# KiCad board badgeCarrierCard.kicad_pcb (continued)
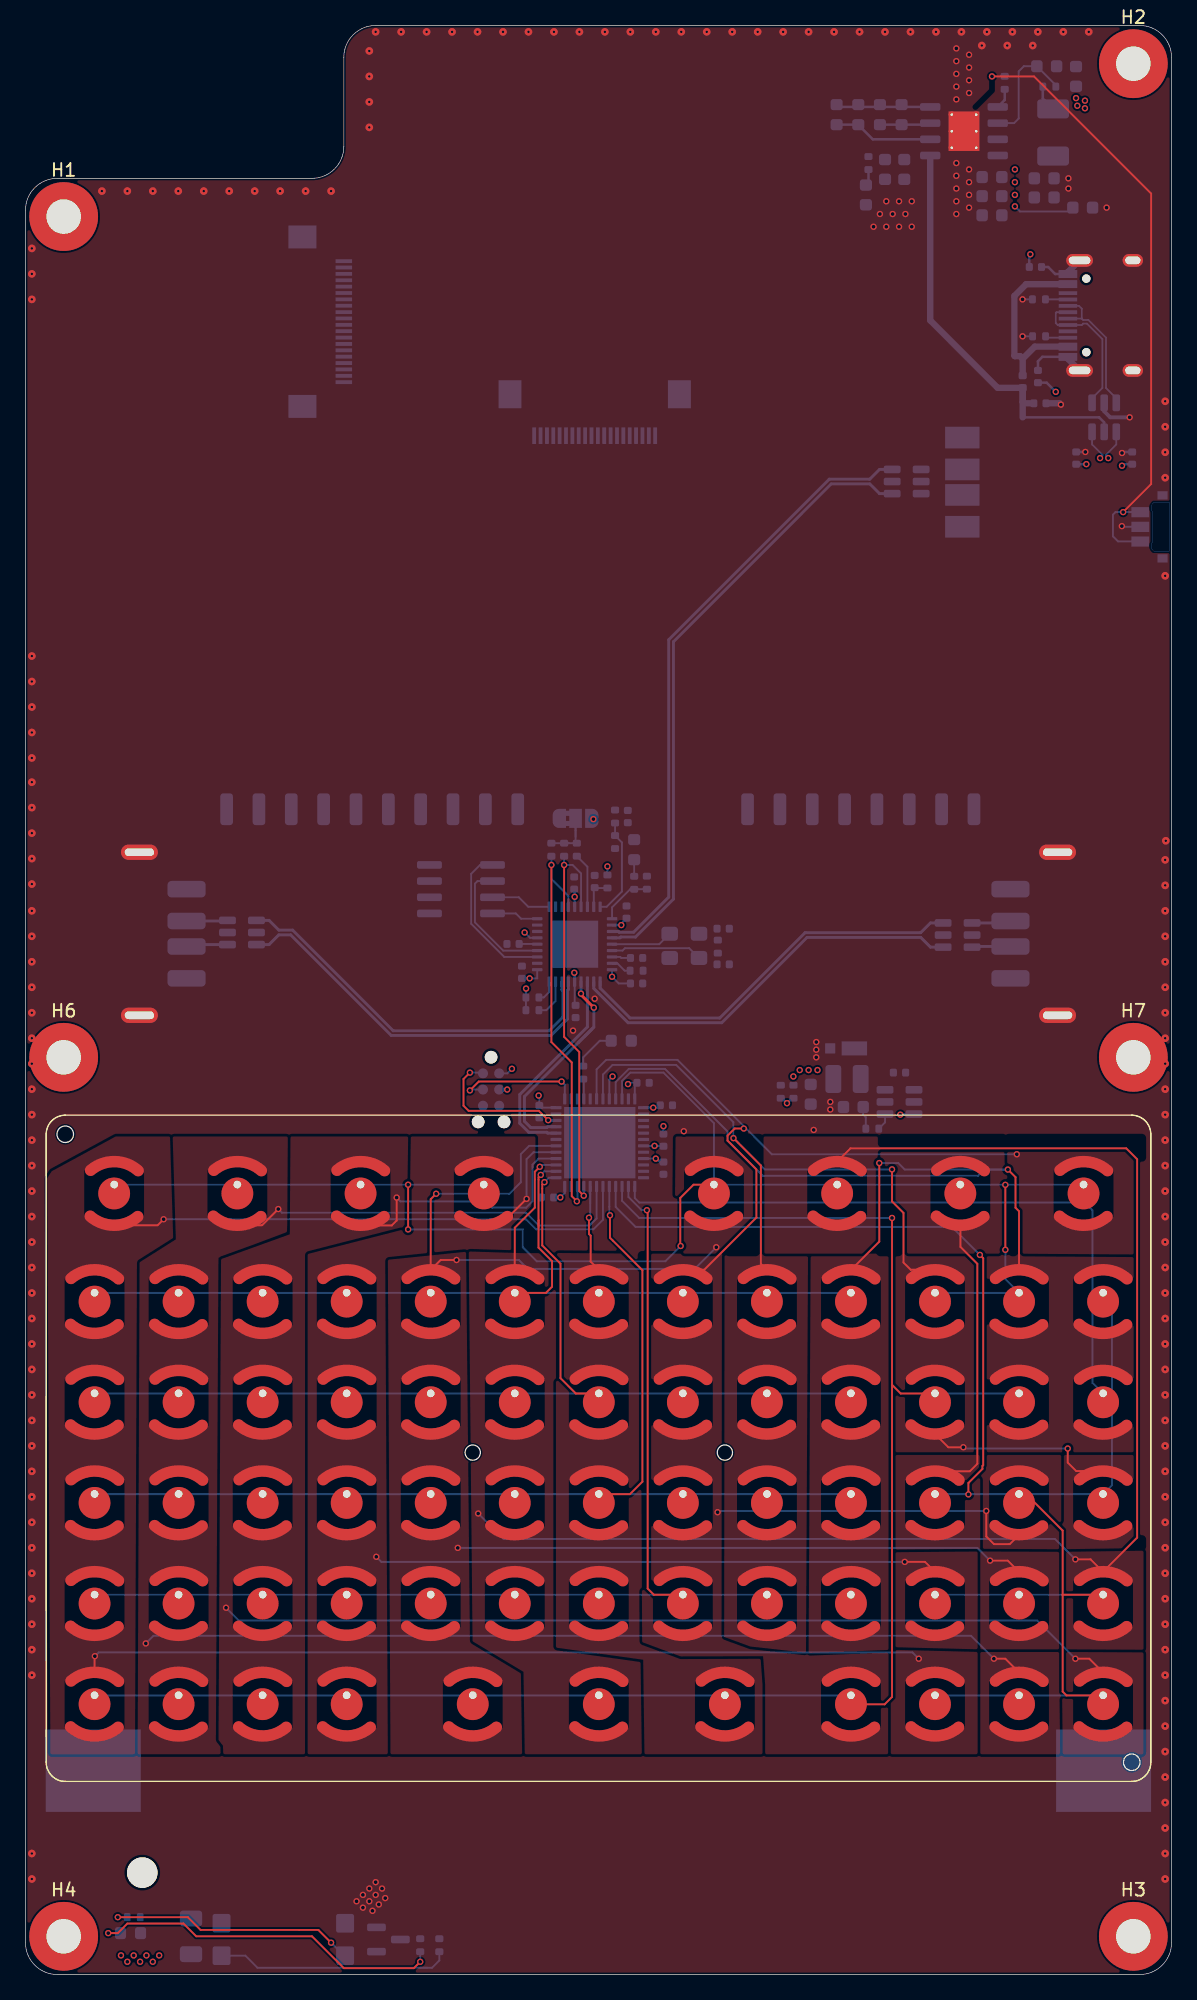
[diagram p0: board, top side]
## Footprints (pads in the part's own frame, mm; a bottom-side part is the same pattern mirrored in y, then rotated) (continued)
  rect 3.7x3.7 smd: 37(0,0)
QFN-48-1EP_7x7mm_P0.5mm_EP5.6x5.6mm
  rrect 1.13x1.13 smd: (-2.1,-2.1) (-2.1,-0.7) (-2.1,0.7) (-2.1,2.1) (-0.7,-2.1) (-0.7,-0.7) (-0.7,0.7) (-0.7,2.1) (0.7,-2.1) (0.7,-0.7) (0.7,0.7) (0.7,2.1) (2.1,-2.1) (2.1,-0.7) (2.1,0.7) (2.1,2.1)
  rrect 0.875x0.25 smd: 1(-3.438,2.75) 2(-3.438,2.25) 3(-3.438,1.75) 4(-3.438,1.25) 5(-3.438,0.75) 6(-3.438,0.25) 7(-3.438,-0.25) 8(-3.438,-0.75) 9(-3.438,-1.25) 10(-3.438,-1.75) 11(-3.438,-2.25) 12(-3.438,-2.75) 25(3.438,-2.75) 26(3.438,-2.25) 27(3.438,-1.75) 28(3.438,-1.25) 29(3.438,-0.75) 30(3.438,-0.25) 31(3.438,0.25) 32(3.438,0.75) 33(3.438,1.25) 34(3.438,1.75) 35(3.438,2.25) 36(3.438,2.75)
  rrect 0.25x0.875 smd: 13(-2.75,-3.438) 14(-2.25,-3.438) 15(-1.75,-3.438) 16(-1.25,-3.438) 17(-0.75,-3.438) 18(-0.25,-3.438) 19(0.25,-3.438) 20(0.75,-3.438) 21(1.25,-3.438) 22(1.75,-3.438) 23(2.25,-3.438) 24(2.75,-3.438) 37(2.75,3.438) 38(2.25,3.438) 39(1.75,3.438) 40(1.25,3.438) 41(0.75,3.438) 42(0.25,3.438) 43(-0.25,3.438) 44(-0.75,3.438) 45(-1.25,3.438) 46(-1.75,3.438) 47(-2.25,3.438) 48(-2.75,3.438)
  rect 5.6x5.6 smd: 49(0,0)
R_0402_1005Metric
  rrect 0.54x0.64 smd: 1(-0.51,0) 2(0.51,0)
SOIC254P1030X390-4N
  rrect 1.41x1.47 smd: 1(-4.85,1.27) 2(-4.85,-1.27) 3(4.85,-1.27) 4(4.85,1.27)
SOIC-8_3.9x4.9mm_P1.27mm
  rrect 1.95x0.6 smd: 1(-2.475,1.905) 2(-2.475,0.635) 3(-2.475,-0.635) 4(-2.475,-1.905) 5(2.475,-1.905) 6(2.475,-0.635) 7(2.475,0.635) 8(2.475,1.905)
SolderJumper-3_P1.3mm_Bridged2Bar12_RoundedPad1.0x1.5mm
  custom 1.05x1.5 smd: 1(-1.3,0) 3(1.3,0)
  rect 1x1.5 smd: 2(0,0)
SOT-23
  rrect 1.475x0.6 smd: 1(-0.938,0.95) 2(-0.938,-0.95) 3(0.938,0)
SOT-23-6
  rrect 1.325x0.6 smd: 1(-1.137,0.95) 2(-1.137,0) 3(-1.137,-0.95) 4(1.137,-0.95) 5(1.137,0) 6(1.137,0.95)
SW_PTS847MM160SMTR2_LFS
  rect 0.8x1.4 smd: 1(-1.14,0.465) 2(0.01,0.465) 3(1.16,0.465)
  rect 0.65x0.8 smd: S1(-2.465,-1.287) S2(2.485,-1.287)
Tag-Connect_TC2030-IDC-NL_2x03_P1.27mm_Vertical
  round 0.991 hole 0.991 unplated: (-2.54,0) (2.54,-1.016) (2.54,1.016)
  round 0.787 smd: 1(-1.27,-0.635) 2(-1.27,0.635) 3(0,-0.635) 4(0,0.635) 5(1.27,-0.635) 6(1.27,0.635)
USB_A_Receptacle_GCT_USB1046
  oval 1.2x2.9 smd: (-6.4,3.55) (6.4,3.55)
  rrect 1.3x3 smd: 1(-3.5,7.25) 2(-1,7.25) 3(1,7.25) 4(3.5,7.25)
  oval 1.2x2.9 hole 0.6x2.3: 5(-6.4,3.55) 5(6.4,3.55)
USB_C_Receptacle_HRO_TYPE-C-31-M-12
  round 0.65 hole 0.65 unplated: (-2.89,2.6) (2.89,2.6)
  rect 0.6x1.45 smd: A1(-3.25,4.045) A4(-2.45,4.045) A9(2.45,4.045) A12(3.25,4.045) B1(3.25,4.045) B4(2.45,4.045) B9(-2.45,4.045) B12(-3.25,4.045)
  rect 0.3x1.45 smd: A5(-1.25,4.045) A6(-0.25,4.045) A7(0.25,4.045) A8(1.25,4.045) B5(1.75,4.045) B6(0.75,4.045) B7(-0.75,4.045) B8(-1.75,4.045)
  oval 1x1.6 hole 0.6x1.2: S1(-4.32,-1.05) S1(4.32,-1.05)
  oval 1x2.1 hole 0.6x1.7: S1(-4.32,3.13) S1(4.32,3.13)

## Nets
+3V3: C5.2 C6.1 C7.1 C8.1 C9.1 C10.1 C11.1 C12.1 C13.1 C14.1 C15.1 C16.1 C47.1 C48.1 C49.1 C50.1 J3.1 JP5.3 L2.2 R1.2 R9.1 R20.2 R21.2 U1.1 U1.9 U1.24 U1.36 U1.48 U3.5 U3.10 U3.15 U3.23 U3.29 U3.36
+5V: C4.2 C18.1 C19.1 C20.1 C24.1 C25.1 C26.1 C30.2 J1.1 R6.1 R16.1 U2.8 U4.7 U7.5 U8.5
GND: C2.2 C3.2 C4.1 C5.1 C7.2 C8.2 C9.2 C10.2 C11.2 C12.2 C13.2 C14.2 C15.2 C16.2 C17.2 C18.2 C19.2 C20.2 C21.2 C22.2 C23.2 C24.2 C25.2 C26.2 C27.2 C28.1 C29.1 C30.1 C31.1 C45.2 C47.2 C48.2 C49.2 C50.2 D1.2 D6.1 D8.1 J1.8 J2.1 J2.8 J3.5 J4.4 J4.5 J5.4 J5.5 J8.A1 J8.A12 J8.B1 J8.B12 J8.S1 J10.1 J11.MP J12.MP JP5.1 PWR_BUTTON1.2 Q1.2 R7.2 R8.2 R11.2 R12.2 R13.2 R18.1 U1.8 U1.23 U1.35 U1.47 U1.49 U2.9 U3.11 U3.37 U4.6 U5.2 U6.2 U7.2 U8.2 U10.3 U12.2 Y1.2 Y1.4
VBUS: C2.1 C3.1 C45.1 FB2.2 R14.1 U2.1 U12.5
+BATT: C21.1 F1.1 L1.2 R17.1
/BOOT0: U1.44
/Keyboard/COL_0: U1.18 U14.1 U14.17 U14.43 U14.69 U14.95 U14.121 U14.137
/Keyboard/COL_1: U1.19 U14.3 U14.19 U14.45 U14.71 U14.97 U14.123 U14.139
/Keyboard/COL_2: U1.28 U14.5 U14.21 U14.47 U14.73 U14.99 U14.125 U14.141
/Keyboard/COL_3: U1.29 U14.7 U14.23 U14.49 U14.75 U14.101 U14.115 U14.127
/Keyboard/COL_4: U1.30 U14.9 U14.25 U14.51 U14.77 U14.103 U14.117 U14.129
/Keyboard/COL_5: U1.27 U14.11 U14.27 U14.53 U14.79 U14.105 U14.119 U14.131
/Keyboard/COL_6: U1.20 U14.13 U14.29 U14.55 U14.81 U14.89 U14.107 U14.133
/Keyboard/COL_7: U1.42 U14.15 U14.31 U14.57 U14.83 U14.91 U14.109 U14.135
/Keyboard/COL_8: U1.43 U14.33 U14.37 U14.59 U14.63 U14.85 U14.93 U14.111
/Keyboard/COL_9: U1.45 U14.35 U14.39 U14.41 U14.61 U14.65 U14.67 U14.87 U14.113
/Keyboard/ROW_0: U1.46 U14.2 U14.4 U14.6 U14.8 U14.10 U14.12 U14.14 U14.16 U14.38 U14.40
/Keyboard/ROW_1: U1.26 U14.18 U14.20 U14.22 U14.24 U14.26 U14.28 U14.30 U14.32 U14.34 U14.36
/Keyboard/ROW_2: U1.25 U14.44 U14.46 U14.48 U14.50 U14.52 U14.54 U14.56 U14.58 U14.60 U14.62
/Keyboard/ROW_3: U1.17 U14.70 U14.72 U14.74 U14.76 U14.78 U14.80 U14.82 U14.84 U14.86 U14.88
/Keyboard/ROW_4: U1.14 U14.96 U14.98 U14.100 U14.102 U14.104 U14.106 U14.108 U14.110 U14.112 U14.114
/Keyboard/ROW_5: U1.15 U14.64 U14.66 U14.122 U14.124 U14.126 U14.128 U14.130 U14.132 U14.134 U14.136
/Keyboard/ROW_6: U1.16 U14.42 U14.90 U14.92 U14.94 U14.116 U14.118 U14.120 U14.138 U14.140 U14.142
/Keyboard/ROW_7: U1.13 U14.68
/nRST: C6.2 J3.3 U1.7
/Power & USB/D+: J8.A6 J8.B6 U12.1
/Power & USB/D-: J8.A7 J8.B7 U12.3
/Power & USB/UF: FB2.1 J8.A4 J8.A9 J8.B4 J8.B9
/Power & USB/USB.D+: U12.6
/Power & USB/USB.D-: U12.4
/SWCLK: J3.4 U1.37
/SWDIO: J3.2 U1.34
/USB/HS_IND: R10.2 U3.25
/USB/I2C.SCL: R3.2 U1.21 U3.24
/USB/I2C.SDA: R4.2 U1.22 U3.22
/USB/SUSP_IND: R13.1 R19.2 U3.28
/USB/USB1.D+: U3.2 U6.1
/USB/USB1.D-: U3.1 U6.3
/USB/USB2.D+: U3.7 U5.1
/USB/USB2.D-: U3.6 U5.3
/USB/USB3.D+: U1.33 U3.4
/USB/USB3.D-: U1.32 U3.3
/USB/USBUP.D+: U3.31 U8.4
/USB/USBUP.D-: U3.30 U8.6
/USB/~{RESET}: C31.2 R9.2 U3.26
Net-(BT1-+): BT1.1 D7.1 F1.2 R43.2 U10.2
Net-(BT1--): BT1.2 Q1.3 R38.2 R50.2
Net-(C17-Pad1): C17.1 R14.2
Net-(D1-K): C1.2 D1.1 L2.1 U7.6
Net-(D2-A): D2.2 D3.1 U2.2
Net-(D2-K): D2.1 D3.2 D4.1 D5.2 U2.4
Net-(D4-A): D4.2 D5.1 U2.3
Net-(D6-A): D6.2 R2.2
Net-(D7-A): D7.2 R50.1
Net-(D8-A): D8.2 R19.1
Net-(J2-Pin_5): J2.5
Net-(J2-Pin_6): J2.6
Net-(J4-D+): J4.3 U6.6
Net-(J4-D-): J4.2 U6.4
Net-(J4-VBUS): J4.1 U4.8 U6.5
Net-(J5-D+): J5.3 U5.6
Net-(J5-D-): J5.2 U5.4
Net-(J5-VBUS): J5.1 U4.5 U5.5
Net-(J7-Pin_1): J7.1 U8.1
Net-(J8-CC1): J8.A5 R12.1
Net-(J8-CC2): J8.B5 R11.1
Net-(J9-Pin_1): J9.1 U8.3
Net-(J11-Pin_1): J11.1 J12.1
Net-(J11-Pin_2): J11.2 J12.2
Net-(J11-Pin_3): J11.3 J12.3
Net-(J11-Pin_4): J11.4 J12.4
Net-(J11-Pin_5): J11.5 J12.5
Net-(J11-Pin_6): J11.6 J12.6
Net-(J11-Pin_7): J11.7 J12.7
Net-(J11-Pin_8): J11.8 J12.8
Net-(J11-Pin_9): J11.9 J12.9
Net-(J11-Pin_10): J11.10 J12.10
Net-(J11-Pin_11): J11.11 J12.11
Net-(J11-Pin_12): J11.12 J12.12
Net-(J11-Pin_13): J11.13 J12.13
Net-(J11-Pin_14): J11.14 J12.14
Net-(J11-Pin_15): J11.15 J12.15
Net-(J11-Pin_16): J11.16 J12.16
Net-(J11-Pin_17): J11.17 J12.17
Net-(J11-Pin_18): J11.18 J12.18
Net-(J11-Pin_19): J11.19 J12.19
Net-(J11-Pin_20): J11.20 J12.20
Net-(JP4-A): U3.17
Net-(JP5-C): JP5.2 R3.1 R4.1 R10.1
Net-(JP6-A): U3.21
Net-(PWR_BUTTON1-Pad1): PWR_BUTTON1.1 PWR_BUTTON1.3 R15.2
Net-(Q1-G): Q1.1 R43.1 U10.4
Net-(R38-Pad1): R38.1 U10.1
Net-(U1-PB4): R2.1 U1.40
Net-(U2-BAT): C22.1 R17.2 U2.6
Net-(U2-KEY): R15.1 U2.5
Net-(U2-SW): L1.1 U2.7
Net-(U3-CRFILT): C27.1 U3.14
Net-(U3-OCS_N1): U3.13 U4.2
Net-(U3-OCS_N3): U3.19 U4.3
Net-(U3-PLLFILT): C23.1 U3.34
Net-(U3-PRTPWR1/BC_EN1): U3.12 U4.1
Net-(U3-PRTPWR3/BC_EN3): U3.18 U4.4
Net-(U3-RBIAS): R8.1 U3.35
Net-(U3-USBDM_DN4/PRT_DIS_M4): R20.1 U3.8
Net-(U3-USBDP_DN4/PRT_DIS_P4): R21.1 U3.9
Net-(U3-VBUS_DET): R6.2 R7.1 U3.27
Net-(U3-XTALIN/CLKIN): C28.2 R5.1 U3.33 Y1.3
Net-(U3-XTALOUT): C29.2 R5.2 U3.32 Y1.1
Net-(U7-BST): C1.1 U7.1
Net-(U7-EN): R16.2 U7.4
Net-(U7-FB): R1.1 R18.2 U7.3

Pads without a net: H1 1; H2 1; H3 1; H4 1; H6 1; H7 1; J1 2 3 4 5 6 7; J2 2 3 4 7 9 10; J3 6; J6 1; J8 A8 B8; PWR_BUTTON1 S1 S2; U1 2 3 4 5 6 10 11 12 31 38 39 41; U3 16 20

## Via types
v1: diameter 0.5, hole 0.3, Top to Bottom, 163 vias
v2: diameter 0.6, hole 0.2, Top to Bottom, 139 vias

## Routing (per net, layer and track width the routed paths; a pad name or vN(x,y) marks a point on that pad's centre or on a via; arc(x,y) is an arc through that point)
+3V3: length 28
  Bottom w0.15: C15.1 v1(39.59,78.2) 40.19,78.2 U3.10 ; v1(43.1,78.64) 43.13,78.61 U3.5 43.13,76.15 43.2,76.08 C16.1 ; C11.1 49.66,68.05 v1(49.3,68.05) U1.1 ; R9.1 v1(45.7,86.99) ; C14.1 46.79,82.51 v1(46.79,82.38) U3.29 ; R20.2 R21.2 39.3,77.39 v1(39.31,77.4) ; 49.85,63.76 49.56,64.05 v1(49.5,64.05) U1.9 ; v1(40.3,69) 40.35,68.95 C7.1 40.52,68.05 U1.36 ; C13.1 46.59,77.8 v1(46.06,78.33) U3.36 ; U1.48 47.85,69.83 C8.1 47.41,70 v1(47.31,69.9) ; JP5.3 44.54,90.76 v1(44.6,90.7) ; C12.1 43.13,85.16 U3.23 ; U3.15 39.62,81.38 v1(39.2,81.8) ; C10.1 v1(42,61) 42.35,61.35 U1.24 ; C6.1 v1(50.1,66.6) ; J3.1 37.84,70.74 v1(38.2,71.1)
  Bottom w0.2: C47.1 78.83,134.96 v1(78.91,135.04) ; C48.1 80.19,124.96 v1(80.91,124.24) ; v1(86.11,118.44) 86.23,118.56 C50.1 ; C49.1 83.31,118.56 v1(83.31,118.56)
  vias: v1(43.13,84.6) v1(60.3,70.5) v1(60.8,71) v1(61.5,71) v1(62.2,71)
+5V: length 6.6
  Bottom w0.15: C4.2 65.79,67.5 65.99,67.3 R16.1 ; v1(77.7,138.8) 78.1,138.4 82.08,138.4 82.3,138.62
  vias: v1(77.7,141.7) v1(77.7,140.7) v1(77.7,139.7)
GND: length 17
  Bottom w0.15: R11.2 v1(78.3,128.6) ; R12.2 v1(78.3,131.5) ; 87.46,113.65 86.15,113.65 v1(86.1,113.7)
  Bottom w0.2: C48.2 79.51,126.64 79.86,126.99 J8.A12 ; v1(83.23,119.52) C49.2 ; J8.A1 80.86,133.49 80.31,134.04 C47.2 ; v1(86.11,119.44) 86.19,119.52 C50.2
  Bottom w0.3: U12.2 84.71,122.72 85.19,122.24 v1(86.71,122.24)
  Bottom w0.5: v1(81.31,123.24) 81.21,123.34 C45.2 ; J8.S1 81.86,126.84 J8.A12 ; J8.A1 81.86,133.65 J8.S1
  vias: v1(26,5.75) v1(26.5,6.25) v1(26.5,5.25) v1(27,6.75) v1(27,5.75) v1(27.25,5) v1(27.5,7.25) v1(27.5,6.25) v1(27.75,5.5) v1(28,6.75) v1(28.25,6) v1(43,74.1) v1(44.7,76.6) v1(51.7,66.2) v1(61.9,66.3) v1(62.1,73.2) v1(62.1,72.6) v1(62.1,72) v1(63.2,68.5) v1(63.2,67.9) v1(66.6,137.2) v1(67.1,138.2) v1(67.6,139.2) v1(67.6,137.2) v1(68.1,138.2) v1(68.6,139.2) v1(68.6,137.2) v1(69.1,138.2) v1(69.6,139.2) v1(69.6,137.2) v1(73.1,151.2) v1(73.1,150.2) v1(73.1,149.2) v1(73.1,148.2) v1(73.1,147.2) v1(73.1,142.2) v1(73.1,141.2) v1(73.1,140.2) v1(73.1,139.2) v1(73.1,138.2) v1(74.1,150.7) v1(74.1,149.7) v1(74.1,148.7) v1(74.1,147.7) v1(74.1,141.7) v1(74.1,140.7) v1(74.1,139.7) v1(74.1,138.7) v1(81.9,141) v1(81.9,140.2) v1(84.9,138.7) v2(0.5,135.5) v2(0.5,133.5) v2(0.5,131.5) v2(0.5,103.5) v2(0.5,101.5) v2(0.5,99.5) v2(0.5,97.5) v2(0.5,95.5) v2(0.5,93.6) v2(0.5,91.6) v2(0.5,89.6) v2(0.5,87.6) v2(0.5,85.6) v2(0.5,83.5) v2(0.5,81.5) v2(0.5,79.5) v2(0.5,77.5) v2(0.5,75.5) v2(0.5,73.5) v2(0.5,71.5) v2(0.5,69.5) v2(0.5,67.5) v2(0.5,65.5) v2(0.5,63.5) v2(0.5,61.5) v2(0.5,59.5) v2(0.5,57.5) v2(0.5,55.5) v2(0.5,53.5) v2(0.5,51.5) v2(0.5,49.5) v2(0.5,47.5) v2(0.5,45.5) v2(0.5,43.5) v2(0.5,41.5) v2(0.5,39.5) v2(0.5,37.5) v2(0.5,35.5) v2(0.5,33.5) v2(0.5,31.5) v2(0.5,29.5) v2(0.5,27.5) v2(0.5,25.5) v2(0.5,23.5) v2(0.5,9.5) v2(0.5,7.5) v2(6,140) v2(8,140) v2(10,140) v2(12,140) v2(14,140) v2(16,140) v2(18,140) v2(20,140) v2(22,140) v2(24,140) v2(27,151) v2(27,149) v2(27,147) v2(27,145) v2(27.5,152.5) v2(29.5,152.5) v2(31.5,152.5) v2(33.5,152.5) v2(35.5,152.5) v2(37.5,152.5) v2(39.5,152.5) v2(41.5,152.5) v2(43.5,152.5) v2(45.5,152.5) v2(47.5,152.5) v2(49.5,152.5) v2(51.5,152.5) v2(53.5,152.5) v2(55.5,152.5) v2(57.5,152.5) v2(59.5,152.5) v2(61.5,152.5) v2(63.5,152.5) v2(65.5,152.5) v2(67.5,152.5) v2(69.5,152.5) v2(71.5,152.5) v2(73.5,152.5) v2(75.1,151.43) v2(75.5,152.5) v2(77.1,151.43) v2(77.5,152.5) v2(79.1,151.43) v2(79.5,152.5) v2(81.5,152.5) v2(83.5,152.5) v2(89.5,123.5) v2(89.5,121.5) v2(89.5,119.5) v2(89.5,117.5) v2(89.5,109.8) v2(89.55,89) v2(89.5,87.5) v2(89.5,85.5) v2(89.5,83.5) v2(89.5,81.5) v2(89.5,79.5) v2(89.5,77.5) v2(89.5,75.5) v2(89.5,73.5) v2(89.5,71.5) v2(89.5,69.5) v2(89.5,67.5) v2(89.5,65.5) v2(89.5,63.5) v2(89.5,61.5) v2(89.5,59.5) v2(89.5,57.5) v2(89.5,55.5) v2(89.5,53.5) v2(89.5,51.5) v2(89.5,49.5) v2(89.5,47.5) v2(89.5,45.5) v2(89.5,43.5) v2(89.5,41.5) v2(89.5,39.5) v2(89.5,37.5) v2(89.5,35.5) v2(89.5,33.5) v2(89.5,31.5) v2(89.5,29.5) v2(89.5,27.5) v2(89.5,25.5) v2(89.5,23.5) v2(89.5,21.5) v2(89.5,19.5) v2(89.5,17.5) v2(89.5,15.5) v2(89.5,13.5) v2(89.5,11.5) v2(89.5,9.5) v2(89.5,7.5)
VBUS: length 34.1
  Bottom w0.2: U12.5 84.71,121.84 84.31,122.24 78.31,122.24
  Bottom w0.5: FB2.2 78.31,123.44 78.41,123.34 C45.1 ; FB2.2 78.31,122.24 ; FB2.2 76.34,124.56 71.05,129.85 U2.1 71,142.75
+BATT: length 229
  In2.Cu w1.25: v1(82.5,147.3) 88.53,141.27 88.53,125.4 88.43,125.3 88.43,119.12 83.3,113.99 83.3,69.45 88.3,64.45 88.3,12.55 85.25,9.5 27.25,9.5 19,1.25 7.5,1.25
  Bottom w0.2: L1.2 79.89,147.26 R17.1
  vias: v1(7.5,1.5) v1(8,1) v1(8.5,1.5) v1(9,1) v1(9.5,1.5) v1(10,1) v1(10.5,1.5) v1(82.6,146.7) v1(83.2,147.1) v1(83.2,146.5)
/BOOT0: length 1.9
  Bottom w0.15: v1(46.1,70.5) 45.85,70.25 U1.44
/Keyboard/COL_0: length 108.1
  Top w0.15: v1(5.45,24.99) 5.42,24.96 5.42,23.71 ; v1(10.85,59.29) 10.38,58.82 6.97,58.82
  Bottom w0.15: U1.18 45.35,59.25 44.6,58.5 40.09,58.5 39.3,59.29 v1(10.85,59.29) ; v1(70.15,24.79) 69.65,25.29 5.75,25.29 v1(5.45,24.99)
/Keyboard/COL_1: length 102
  Top w0.15: 16.64,58.82 18.58,58.82 v1(19.85,60.09) ; 78.02,23.71 76.94,24.79 v1(76.05,24.79)
  Bottom w0.15: v1(76.05,24.79) 74.25,26.59 10.05,26.59 v1(9.45,25.99) ; U1.19 44.85,59.35 44.29,58.79 40.31,58.79 39.3,59.8 20.14,59.8 v1(19.85,60.09)
/Keyboard/COL_2: length 91.9
  Top w0.15: 84.62,23.71 83.54,24.79 v1(82.45,24.79) ; v1(29.15,60.99) 29.15,59.19 28.76,58.8 26.31,58.8
  Bottom w0.15: v1(15.75,28.79) 16.75,27.79 79.45,27.79 v1(82.45,24.79) ; U1.28 40.29,64.05 39.82,63.58 39.82,60.7 39.32,60.2 36.64,60.2 36.15,60.69 29.45,60.69 v1(29.15,60.99)
/Keyboard/COL_3: length 54.2
  Top w0.15: v1(69.05,32.39) 70.64,32.39 71.42,31.61 ; 36,58.82 37.28,58.82 v1(39.35,60.89)
  Bottom w0.15: v1(39.35,60.89) 39.35,64 39.9,64.55 U1.29 ; v1(69.05,32.39) 27.95,32.39 v1(27.55,32.79)
/Keyboard/COL_4: length 87
  Top w0.15: v1(75.75,32.49) 77.14,32.49 78.02,31.61 ; v1(33.85,56.09) 32.6,56.09 31.82,55.31 31.82,60.86 v1(32.25,61.29)
  Bottom w0.15: v1(33.95,33.49) 74.75,33.49 v1(75.75,32.49) ; v1(54.25,57.09) 52.55,55.39 39.45,55.39 38.75,56.09 v1(33.85,56.09) ; 41.65,65.07 U1.30 39.55,65.05 38.9,64.4 38.9,62.19 38,61.29 v1(32.25,61.29)
/Keyboard/COL_5: length 119.4
  Top w0.15: v1(40.39,63.41) 40,63.02 40,60.2 38.42,58.62 U14.27 ; U14.11 64.78,64.86 86.44,64.86 87.3,64 87.3,34.3 U14.119 ; 84.62,31.61 83.64,32.59 v1(82.45,32.59) ; 38.78,55.32 38.43,55.32
  Bottom w0.15: U1.27 40.53,63.55 v1(40.39,63.41) ; v1(35.55,36.19) 37.55,34.19 80.85,34.19 v1(82.45,32.59)
/Keyboard/COL_6: length 30.5
  Top w0.15: 71.42,39.51 74.17,39.51 74.75,40.09 74.75,55.79 73.42,57.12 73.42,58.82 ; v1(44.25,59.41) 44.25,58.13 44.39,58 44.39,55.96 U14.29
  Bottom w0.15: 44.35,61.3 44.35,60.51 ; 44.35,61.3 44.35,59.51 v1(44.25,59.41) ; 44.35,61.3 U1.20
/Keyboard/COL_7: length 81.3
  Top w0.15: U14.31 53.3,55.32 57.4,59.42 57.4,63.2 55.13,65.46 55.13,65.85 55.7,66.41 v1(56.41,66.41) ; 78.02,34.51 77.3,33.79 76.05,33.79 75.45,34.39 v1(75.45,36.39)
  Bottom w0.15: U1.42 44.85,71.05 45.6,71.8 51.2,71.8 58.61,64.39 v1(77.85,64.39) ; v1(75.45,36.39) 54.45,36.39 v1(54.35,36.29)
/Keyboard/COL_8: length 66.5
  Top w0.15: 71.43,55.32 69.52,55.32 68.95,55.89 68.95,59.79 68.05,60.69 v1(68.05,63.2) ; 58.22,55.31 57.75,55.78 57.75,63.5 v1(55.6,65.66) ; 71.43,42.43 72.47,41.39 v1(73.65,41.39) ; v1(81.85,41.29) 81.85,40.19 82.52,39.52 84.63,39.52
  Bottom w0.15: 55.98,65.28 58.06,63.2 v1(68.05,63.2) ; 55.98,65.28 v1(55.6,65.66) ; 55.98,65.28 55.59,65.67 55.59,66.91 51.1,71.4 46.1,71.4 45.35,70.65 U1.43 ; v1(73.65,41.39) 73.75,41.29 v1(81.85,41.29)
/Keyboard/COL_9: length 65
  Top w0.15: 64.82,55.31 67.05,57.54 v1(67.05,63.7) ; 78.02,55.31 78.02,59.92 77.75,60.19 77.75,62.59 v1(77.15,63.19)
  Bottom w0.15: 55.41,65.19 55.75,64.85 ; 55.75,64.85 55.75,64.85 55.13,65.46 55.13,66.18 50.22,71.09 47.38,71.09 46.35,70.06 U1.45 ; 55.75,64.85 57.9,62.7 74.8,62.7 75.29,63.19 v1(77.15,63.19) 69.05,63.19 68.54,63.7 v1(67.05,63.7)
/Keyboard/ROW_0: length 123.4
  Top w0.15: v1(30.05,58.49) v1(30.05,62) ; v1(76.95,56.89) v1(76.95,61.99) ; v1(51.45,57.19) 51.42,57.22 51.42,60.96 52.46,62 54.06,62
  Bottom w0.15: v1(76.95,56.89) 76.95,54.58 78.02,53.51 ; U14.10 54.06,66.83 50.1,70.8 47.5,70.8 46.85,70.15 U1.46 ; v1(30.05,58.49) 39.05,58.49 39.05,57.09 40.15,55.99 50.25,55.99 v1(51.45,57.19) ; 6.96,62 v1(30.05,62) 35.99,62 ; 83.09,62 54.06,62 ; 71.42,53.51 78.33,53.51
/Keyboard/ROW_1: length 73.6
  Top w0.15: 40.29,59.2 40.29,58.69 ; 40.29,59.2 40.29,57.06 41.35,56 41.35,53.99 40.87,53.51 38.42,53.51 ; 40.29,59.2 40.29,62.6 v1(40.47,62.77)
  Bottom w0.15: v1(40.47,62.77) 40.74,63.05 U1.26 ; 64.82,53.51 5.42,53.51
/Keyboard/ROW_2: length 80
  Top w0.15: 45.02,45.61 43.22,45.61 42.01,46.82 42.01,55.8 40.58,57.23 40.58,62.03 v1(40.76,62.2)
  Bottom w0.15: 5.42,45.61 64.82,45.61 ; v1(40.76,62.2) 41.11,62.55 U1.25
/Keyboard/ROW_3: length 87.5
  Top w0.15: v1(45.9,59.6) 45.9,57.84 48.45,55.29 48.45,38.69 47.47,37.71 45.02,37.71
  Bottom w0.15: U1.17 45.85,59.65 v1(45.9,59.6) ; 64.82,37.71 5.42,37.71
/Keyboard/ROW_4: length 94.8
  Top w0.15: 51.62,29.81 49.35,29.81 48.86,30.3 48.86,59.94 v1(48.8,60)
  Bottom w0.15: U1.14 47.35,61.04 48.39,60 v1(48.8,60) ; 5.42,29.81 64.82,29.81
/Keyboard/ROW_5: length 133.6
  Top w0.15: 68.05,46.29 68.73,45.61 71.42,45.61 ; 68.05,46.29 68.05,21.79 67.47,21.21 64.82,21.21 ; 68.05,46.29 v1(68.05,59.39)
  Bottom w0.15: U1.15 46.85,60.74 48.2,59.39 v1(68.05,59.39) ; 64.82,21.91 5.42,21.91 ; 78.02,45.61 71.42,45.61
/Keyboard/ROW_6: length 130.9
  Top w0.15: 81.45,29.81 81.45,34.85 78.59,37.71 78.02,37.71 ; 81.45,29.81 81.45,22.21 81.75,21.91 84.62,21.91 ; 81.45,29.81 84.62,29.81 ; v1(74.95,56.49) 75.21,56.23 75.21,39.99 75.15,39.92 75.15,39.69 74.05,38.59 v1(74.05,37.69)
  Bottom w0.15: 71.42,29.81 84.62,29.81 ; 71.42,37.71 84.62,37.71 85.32,38.41 85.32,52.81 84.62,53.51 ; U1.16 46.35,60.25 47.91,58.69 72.75,58.69 v1(74.95,56.49) ; 71.42,21.91 84.62,21.91
/Keyboard/ROW_7: length 52.8
  Bottom w0.15: 83,60.6 83.19,60.6 83.79,60 83.79,46.44 84.62,45.61 ; 83,60.6 48.2,60.6 47.85,60.95 U1.13 ; 83,60.6 83.2,60.6 83.61,60.19
/nRST: length 16.1
  In1.Cu w0.15: 40.2,69.47 39.67,69.47 ; 40.2,69.47 42.03,69.47 46.45,65.05 v1(49.4,65.05) ; 40.2,69.47 37.83,69.47 v1(37.83,69.47)
  Bottom w0.15: J3.3 v1(37.83,69.47) ; C6.2 50.07,65.05 v1(49.4,65.05) U1.7
/Power & USB/D+: length 11.4
  Bottom w0.14: J8.A6 80.96,130.49 80.91,130.44 80.91,129.64 81.06,129.49 J8.B6 82.95,129.49 83.06,129.6 83.35,129.6 84.57,128.38 84.57,124.55 83.76,123.74 U12.1
/Power & USB/D-: length 11
  Bottom w0.14: 82.95,129.99 J8.A7 ; 82.95,129.99 82.95,130.77 82.73,130.99 J8.B7 ; 82.95,129.99 83.06,129.88 83.47,129.88 84.85,128.5 84.85,124.55 85.66,123.74 U12.3
/Power & USB/UF: length 15.3
  Bottom w0.5: 78.31,126.84 79.26,127.79 J8.A9 ; 78.31,126.84 78.11,127.04 77.7,127.04 77.66,127.08 77.66,131.77 78.58,132.69 J8.A4 ; 78.31,126.84 FB2.1
/Power & USB/USB.D+: length 2.5
  Bottom w0.14: v1(84.39,119.04) 84.57,119.22 84.57,119.3 83.76,120.11 U12.6
/Power & USB/USB.D-: length 2.5
  Bottom w0.14: U12.4 85.66,120.11 84.85,119.3 84.85,119.22 v1(85.03,119.04)
/SWCLK: length 10
  Top w0.15: v1(42.1,70.1) 35.6,70.1 v1(34.9,69.4)
  Bottom w0.15: v1(34.9,69.4) 34.97,69.47 J3.4 ; v1(42.1,70.1) 42.35,69.85 U1.37
/SWDIO: length 11.6
  Top w0.15: v1(41.05,67.06) 40.31,67.8 34.8,67.8 34.4,68.2 34.4,70.3 v1(34.9,70.8)
  Bottom w0.15: v1(41.05,67.06) 41.06,67.05 U1.34 ; v1(34.9,70.8) 35.87,70.8 J3.2
/USB/HS_IND: length 4.3
  Bottom w0.15: U3.25 44.13,86.96 R10.2
/USB/I2C.SCL: length 32.2
  Top w0.15: v1(43.84,61.14) 43.49,61.49 43.49,72.42 42.3,73.61 v1(42.3,87.1)
  Bottom w0.15: U3.24 43.63,86.44 42.97,87.1 v1(42.3,87.1) R3.2 ; v1(43.84,61.14) 43.85,61.15 U1.21
/USB/I2C.SDA: length 32.9
  Top w0.15: v1(43.3,60.7) 42.9,61.1 42.9,71.6 41.3,73.2 v1(41.3,87.1)
  Bottom w0.15: v1(43.3,60.7) 43.35,60.75 U1.22 ; U3.22 42.63,84.67 41.3,86 v1(41.3,87.1) R4.2
/USB/SUSP_IND: length 4.2
  Bottom w0.15: U3.28 46.06,83.77 47.48,85.19 R19.2 47.81,85.2 R13.1
/USB/USB1.D+: length 32.2
  Bottom w0.23: U6.1 71.07,80.65 70.3,81.42 61.38,81.42 54.68,74.72 47.32,74.72 44.63,77.41 U3.2
/USB/USB1.D-: length 31.5
  Bottom w0.23: U6.3 71.07,82.55 70.3,81.78 61.22,81.78 54.52,75.08 47.48,75.08 45.13,77.43 U3.1
/USB/USB2.D+: length 30.9
  Bottom w0.23: U3.7 42.13,77.32 42.19,77.26 42.19,75.15 41.12,74.08 28.88,74.08 20.98,81.98 19.9,81.98 19.13,82.75 U5.1
/USB/USB2.D-: length 31.5
  Bottom w0.23: U3.6 42.63,77.32 42.56,77.26 42.56,75 41.28,73.72 28.72,73.72 20.82,81.61 19.9,81.61 19.13,80.85 U5.3
/USB/USB3.D+: length 18.6
  Top w0.23: v1(44.63,75.9) 43.62,76.91 v1(43.62,77)
  Bottom w0.23: 44.5,74.24 43.93,73.67 ; 43.93,73.67 44.48,74.22 ; 43.93,73.67 43.43,73.17 ; v1(44.63,75.9) 44.63,74.37 43.43,73.17 ; v1(43.62,77) 43.63,77 U3.4 ; 43.43,73.17 39.19,68.92 39.19,66.98 39.68,66.48 40.94,66.48 41.01,66.55 U1.33
/USB/USB3.D-: length 16.5
  Bottom w0.23: U1.32 41.01,66.05 40.94,66.12 39.52,66.12 38.81,66.82 38.81,69.08 44.13,74.39 U3.3
/USB/USBUP.D+: length 48.9
  Bottom w0.23: U8.4 67.07,116.25 66.3,117.02 63.28,117.02 50.89,104.62 50.89,84.42 47.91,81.44 46.75,81.44 46.68,81.38 U3.31
/USB/USBUP.D-: length 48.9
  Bottom w0.23: U8.6 67.07,118.15 66.3,117.38 63.12,117.38 50.52,104.78 50.52,84.58 47.75,81.81 46.63,81.81 46.56,81.88 U3.30
/USB/~{RESET}: length 2.9
  Bottom w0.15: 44.63,84.13 U3.26 44.63,85.25 C31.2 44.73,85.29 R9.2
Net-(BT1--): length 5.2
  Bottom w0.2: 85.19,18.39 85.34,18.54 85.09,18.54 85.03,18.6 85.4,18.6 85.55,18.75 85.19,18.39 ; 85.19,18.39 82.7,15.9
Net-(C17-Pad1): length 1.3
  Bottom w0.2: R14.2 66.2,140.68 C17.1
Net-(D2-A): length 7.8
  Bottom w0.2: D2.2 D3.1 65.4,145.2 66.53,144.06 71.05,144.06
Net-(D2-K): length 7.4
  Bottom w0.2: 71.05,146.6 63.88,146.6 D2.1
Net-(D4-A): length 4
  Bottom w0.2: U2.3 70.93,145.21 D4.2
Net-(D6-A): length 3.4
  Bottom w0.15: D6.2 45.1,73.3 43.8,72 R2.2
Net-(D7-A): length 28.2
  Top w0.15: v1(6.5,3.25) 7.25,3.25 8,4 12.41,4 13.41,3 22.5,3 25,0.5 30.5,0.5 v1(31,1)
  Bottom w0.15: v1(31,1) 31,1.74 ; v1(6.5,3.25) D7.2
Net-(D8-A): length 1.3
  Bottom w0.15: R19.1 D8.2
Net-(J4-D+): length 3
  Bottom w0.15: 74.39,80.7 U6.6
  Bottom w0.23: J4.3 74.39,80.7
Net-(J4-D-): length 3.1
  Bottom w0.15: 77.2,82.55 J4.2
  Bottom w0.23: U6.4 77.2,82.55
Net-(J5-D+): length 3.2
  Bottom w0.15: 15.81,82.7 U5.6
  Bottom w0.23: J5.3 15.81,82.7
Net-(J5-D-): length 3.3
  Bottom w0.15: 12.8,80.85 J5.2
  Bottom w0.23: U5.4 12.8,80.85
Net-(J8-CC1): length 1.8
  Bottom w0.15: J8.A5 81.86,131.5 R12.1
Net-(J8-CC2): length 2
  Bottom w0.15: J8.B5 80.22,128.49 R11.1
  Bottom w0.2: R11.1 80.22,128.49
Net-(JP5-C): length 5.9
  Bottom w0.15: R4.1 42.71,88.81 ; 43.2,89.3 JP5.2 43.2,88.91 R10.1 R3.1
Net-(PWR_BUTTON1-Pad1): length 49.3
  Top w0.15: v1(86.2,114.8) 88.4,117 88.4,139.8 79.2,149 v1(75.9,149)
  Bottom w0.15: R15.2 75.91,149.01 v1(75.9,149) ; 87.46,114.8 v1(86.2,114.8) 85.6,114.8 85.4,114.6 85.4,112.9 85.8,112.5 87.46,112.5
Net-(Q1-G): length 19.8
  Top w0.15: v1(24,2.5) 23,3.5 13.75,3.5 12.75,4.5 v1(7.25,4.5)
  Bottom w0.15: R43.1 v1(7.25,4.5) ; v1(24,2.5) 25.02,1.48 U10.4
Net-(R38-Pad1): length 18.8
  Bottom w0.15: U10.1 17.27,1.48 18.22,0.53 31,0.53 ; 31,0.53 31.93,0.53 32.5,1.1 32.5,1.69 ; 31,0.53 31.53,0.53
Net-(U1-PB4): length 1.6
  Bottom w0.15: R2.1 43.85,70.24 U1.40
Net-(U2-BAT): length 9.3
  Bottom w0.15: U2.6 77.64,145.34 78,145.7 78,149.4 78.4,149.8 C22.1 80.91,148.31 R17.2
Net-(U2-KEY): length 1.6
  Bottom w0.2: 76.35,146.6 76.9,147.16 R15.1
Net-(U3-CRFILT): length 1.4
  Bottom w0.15: U3.14 40.17,80.9 C27.1
Net-(U3-OCS_N1): length 10.3
  Bottom w0.15: U3.13 40.18,80.37 37.52,80.37 35.3,82.6 35.3,85.63 35.5,85.83 U4.2
Net-(U3-OCS_N3): length 4.8
  Bottom w0.15: U3.19 39.48,83.82 38.73,84.56 U4.3
Net-(U3-PLLFILT): length 1.5
  Bottom w0.15: U3.34 46.71,79.88 46.79,79.8 C23.1
Net-(U3-PRTPWR1/BC_EN1): length 12.2
  Bottom w0.15: U4.1 35.7,87.11 35,86.4 35,82.48 37.6,79.88 U3.12
Net-(U3-PRTPWR3/BC_EN3): length 3.7
  Bottom w0.15: U4.4 38.5,83.3 38.92,82.88 U3.18
Net-(U3-RBIAS): length 1.7
  Bottom w0.15: U3.35 46.48,79.38 47.06,78.8 R8.1
Net-(U3-USBDM_DN4/PRT_DIS_M4): length 3.2
  Bottom w0.15: U3.8 41.63,76.43 40.9,75.7 R20.1 40.36,75.66
Net-(U3-USBDP_DN4/PRT_DIS_P4): length 1.8
  Bottom w0.15: R21.1 40.7,76.7 41.13,77.13 U3.9
Net-(U3-VBUS_DET): length 7.8
  Bottom w0.15: R6.2 R7.1 46.84,88.87 46.84,85.02 45.64,83.82 U3.27
Net-(U3-XTALIN/CLKIN): length 7.2
  Bottom w0.15: U3.33 46.89,80.38 47.08,80.57 52.12,80.57 Y1.3
Net-(U3-XTALOUT): length 4.9
  Bottom w0.15: Y1.1 49.77,80.88 U3.32
Net-(U7-EN): length 1.4
  Bottom w0.15: U7.4 67.5,66.89 R16.2
Net-(U7-FB): length 11.7
  In1.Cu w0.15: v1(59.8,68.4) 60.77,67.43 68.63,67.43 v1(68.7,67.5)
  Bottom w0.15: U7.3 68.75,67.55 v1(68.7,67.5) ; R18.2 59.41,68.79 v1(59.8,68.4) 60.19,68.79 R1.1

## Copper pours and planes (outline as drawn; the poured copper is in the pictures)
+3V3 on Bottom: 63.9,71.2 60.1,71.2 60.1,69.5 60.2,69.4 63.9,69.4
+3V3 on In1.Cu: -0.04,153 -0.04,5.05 89.96,5.05 89.96,153
+3V3 on In2.Cu: 36,87.2 62.2,87.2 62.4,87 62.4,59.2 36,59.2
+5V on Bottom: 66.21,67.7 66.21,68.2 68.11,68.2 68.11,68.8 65.71,68.8 65.31,68.4 65.31,67.7
+5V on Bottom: 76.2,137.7 76.2,141.7 75.5,142.4 75.5,143.2 79.2,143.2 79.2,137.7
GND on Top, Bottom, In1.Cu, In2.Cu: 0,153 0,0 90,0 90,153
GND on Bottom: 72.4,143 72.4,151.9 83.1,151.9 83.1,149.2 80.6,149.2 80.3,149.5 80.3,150.3 80,150.6 75,150.6 75,143
GND on Bottom: 75.6,137.6 75.6,141.5 75,142.2 75,146.3 72.4,146.3 72.4,137.7 72.5,137.6
GND on Bottom: 65.4,139.4 66.4,139.4 66.8,139.8 66.8,141.4 70.2,141.4 70.2,136.2 65.4,136.2
GND on Bottom: 24.5,4.75 27.5,7.75 28.5,7.75 28.5,3.75 28.25,3.5 24.5,3.5
VBUS on Bottom: 72,142 72,143.4 65.8,143.4 65.6,143.2 65.6,142.6 65.8,142.4 66.6,142.4 67,142
+BATT on Bottom: 13.85,0.9 13.85,2 7,2 7,0.5 13.25,0.5
+BATT on Bottom: 79.2,145.6 79.2,147.3 81.7,147.3 82,147.6 82,148.8 83.4,148.8 83.4,145.6
/Keyboard/COL_0 on Top: 2.06,63.06 7.09,65.79 11.56,65.79 11.81,57.71 8.96,55.91 8.81,17.29 1.96,17.29 1.71,62.51
/Keyboard/COL_0 on Top: 68.17,25.49 74.98,25.32 74.98,17.29 67.95,17.29 67.95,24.56
/Keyboard/COL_1 on Top: 74.98,25.32 81.37,25.32 81.46,17.29 74.98,17.29
/Keyboard/COL_1 on Top: 8.81,17.73 8.96,55.91 11.81,57.71 11.56,65.79 20.81,65.79 20.53,58.28 15.16,56.26 15.53,17.29 8.81,17.29
/Keyboard/COL_2 on Top: 81.37,25.32 87.8,25.29 87.8,17.29 81.46,17.29
/Keyboard/COL_2 on Top: 15.51,17.96 15.16,18.41 15.36,56.16 20.76,58.11 20.81,65.79 30.26,65.79 30.05,58.59 22.16,56.56 22.16,17.29 15.53,17.29
/Keyboard/COL_3 on Top: 68.15,33.15 74.98,33.21 74.98,25.32 68.17,25.49
/Keyboard/COL_3 on Top: 22.16,17.29 22.16,56.56 30.16,58.61 30.26,65.79 40.05,65.79 40.06,58.71 40.06,56.63 28.46,56.11 28.66,18.21 28.66,17.29
/Keyboard/COL_4 on Top: 28.46,56.11 34.81,56.76 35.11,26.16 39.11,23.76 39.21,17.29 28.66,17.29 28.66,18.21
/Keyboard/COL_4 on Top: 50.97,56.59 51.05,65.79 57.96,65.79 57.98,56.59
/Keyboard/COL_4 on Top: 74.98,25.32 81.37,25.32 81.34,33.18 74.98,33.21
/Keyboard/COL_5 on Top: 34.81,56.76 39.27,56.62 40.06,56.63 41.66,56.64 41.66,25.66 48.51,24.71 48.61,17.29 39.21,17.29 39.11,23.76 35.11,26.16
/Keyboard/COL_5 on Top: 81.37,25.32 87.8,25.29 87.8,33.27 81.34,33.18
/Keyboard/COL_5 on Top: 57.98,56.59 67.01,56.59 67.15,65.79 57.96,65.79
/Keyboard/COL_6 on Top: 74.98,40.79 74.98,33.21 68.15,33.15 68.07,40.79
/Keyboard/COL_6 on Top: 67.01,56.59 77.13,56.59 77.09,65.79 67.15,65.79
/Keyboard/COL_6 on Top: 41.65,56.64 48.29,56.59 48.43,26.09 51.46,24.97 57.94,24.99 58.09,23.88 58.09,17.29 48.61,17.29 48.51,24.71 41.66,25.66 41.66,56.64
/Keyboard/COL_7 on Top: 74.98,33.21 81.34,33.18 81.34,40.79 74.98,40.79
/Keyboard/COL_7 on Top: 48.29,56.59 54.9,56.59 54.87,26.65 57.53,25.68 68.17,25.49 67.95,17.29 58.09,17.29 58.09,22.71 57.92,24.99 51.46,24.97 48.43,26.09
/Keyboard/COL_7 on Top: 77.09,65.79 87.8,65.79 87.8,56.52 77.13,56.59
/Keyboard/COL_8 on Top: 68.07,56.59 75.05,56.59 75.05,40.79 68.07,40.79
/Keyboard/COL_8 on Top: 87.8,40.79 87.8,33.27 81.34,33.18 81.34,40.79
/Keyboard/COL_8 on Top: 56.93,25.75 61.5,25.24 61.66,56.59 54.9,56.59 54.87,26.5
/Keyboard/COL_9 on Top: 75.05,56.59 87.8,56.52 87.8,40.79 75.05,40.79
/Keyboard/COL_9 on Top: 61.66,56.59 68.07,56.59 68.17,25.49 61.5,25.24
Net-(BT1-+) on Bottom: 2,13 9,13 12.75,10.5 12.75,5.89 8.75,4.75 8.75,2.75 9.4,2.75 10.5,4 16,4 16,12 9,19 2,19
Net-(BT1--) on Bottom: 88.4,19.2 81,19.2 81,8.6 79.44,4.7 34.9,4.7 33.2,3 29,3 29,2.5 81,2.5 88.4,11.07
Net-(D1-K) on Bottom: 68.11,71.4 66.51,73.2 64.91,73.2 64.91,69.2 68.11,69.2
Net-(Q1-G) on Bottom: 24.5,2 28.25,2 28.25,1.5 25.5,0.75 24.5,0.75
Net-(U2-SW) on Bottom: 75.5,143.7 78.5,143.7 78.9,143.3 78.9,141.9 82.1,141.9 82.1,144.5 75.5,144.5
Net-(U7-BST) on Bottom: 69.4,71 70.4,70 70.4,69.2 69,69.2 68.9,69.3 68.9,71

## Text on the board
B.Silkscreen: 1× → ON / 2× → OFF
